# Altium PCB MB1404.PcbDoc (part 1 of 7) (continued)
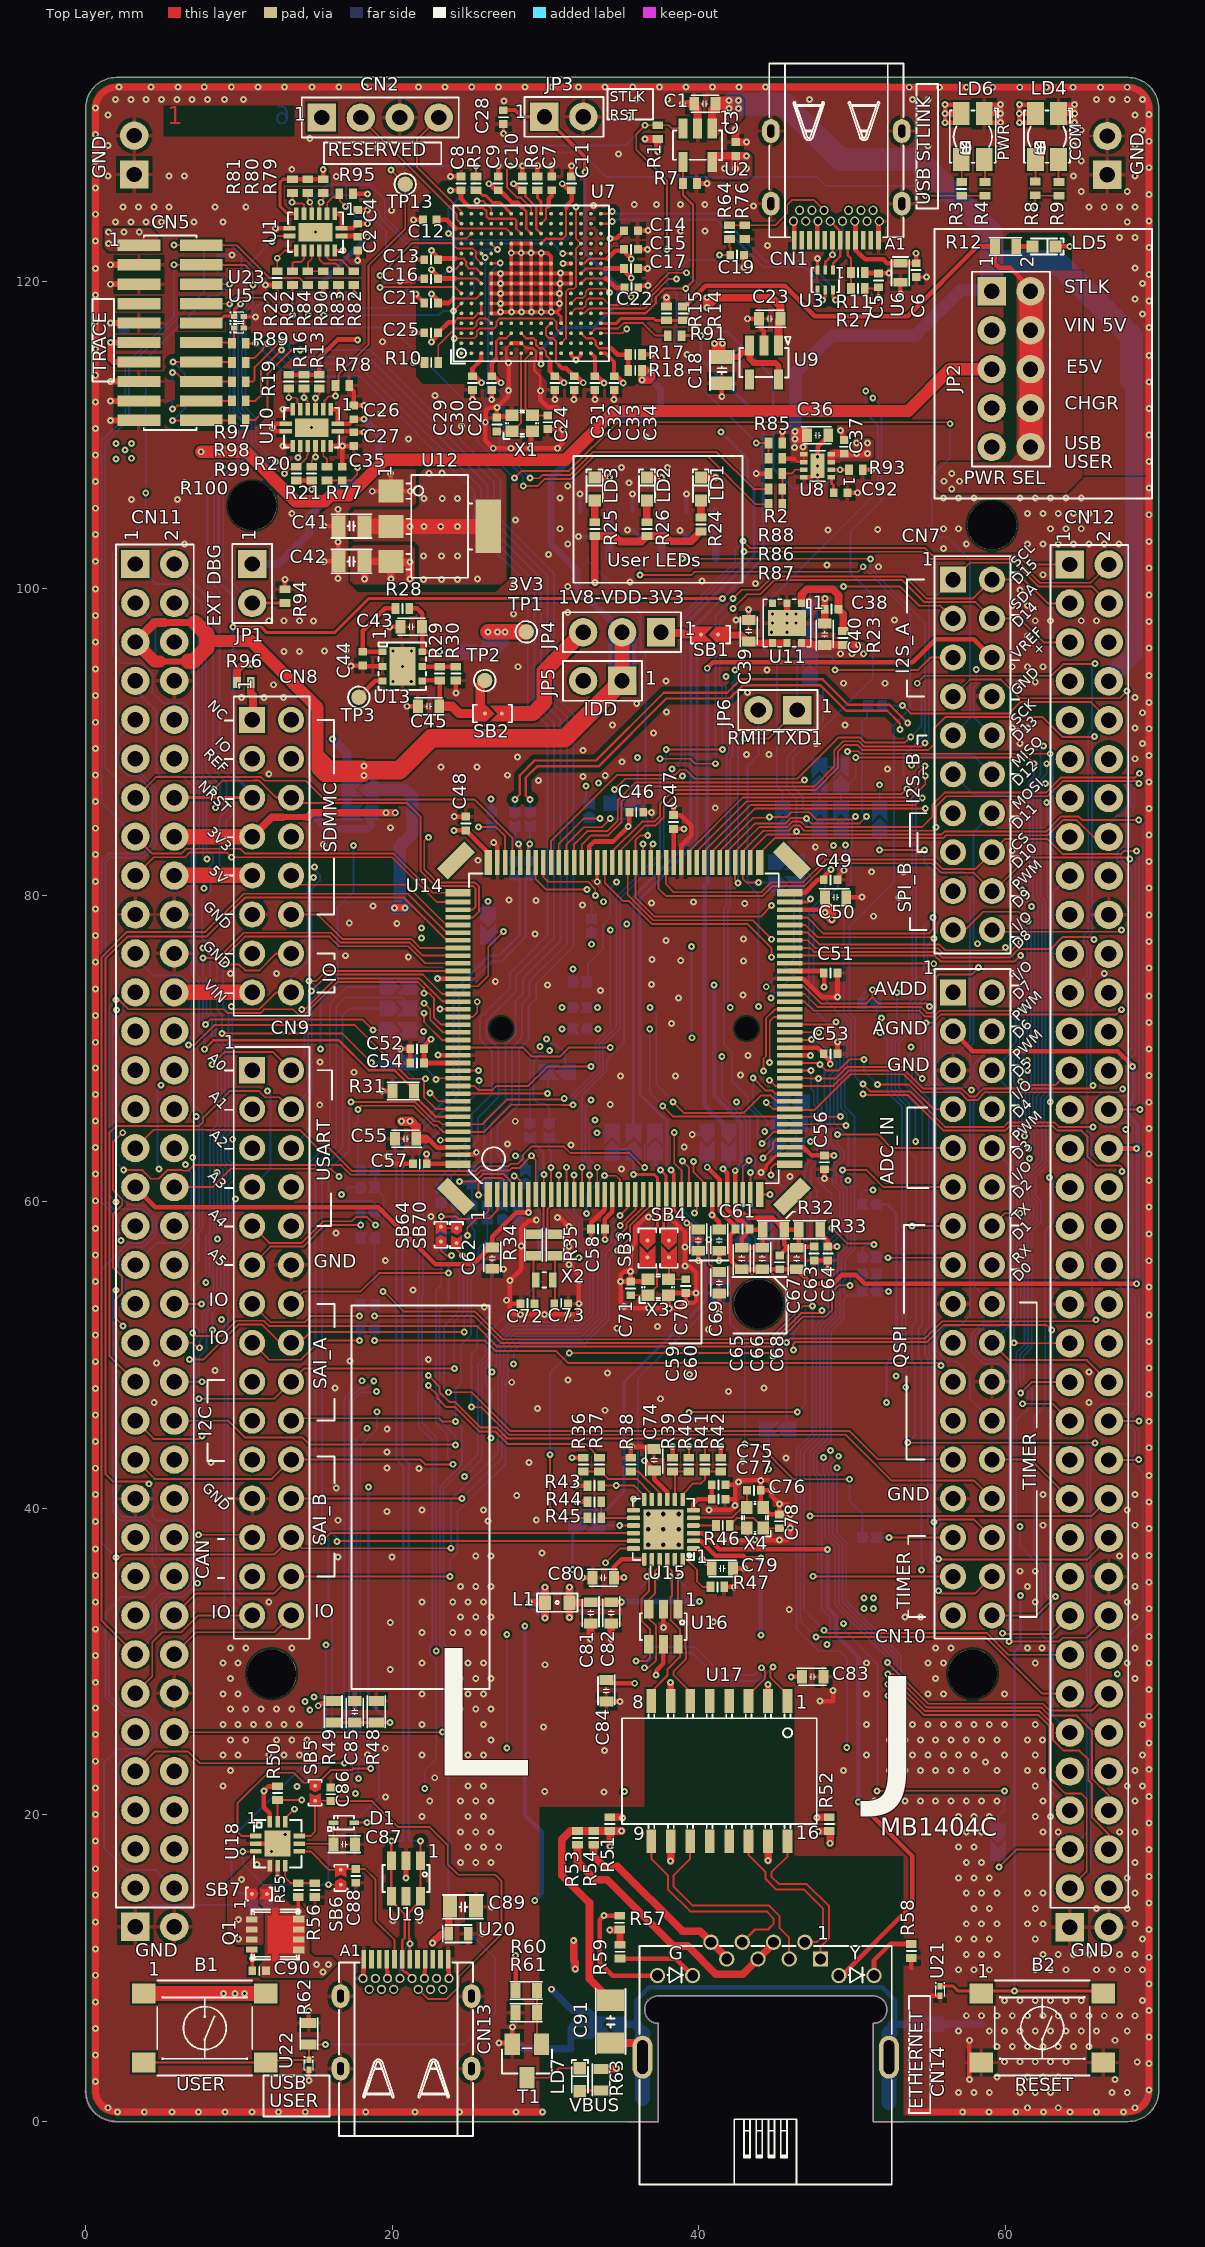
[diagram p0: Top Layer view]
## Components (designator, comment, footprint, x,y, rotation, side; value= is the part's Value field where it differs from the comment)
B1 "SW_PUSH_SMD" SWI_KNITTER_TSS644S 7.775,6.1 r0 top value=SW-PUSH-TSS644S
B2 "SW_PUSH_SMD" SWI_KNITTER_TSS644S 62.403,6.1 r0 top value=SW-PUSH-TSS644S
C1 "Capacitor" C0603 40.4,131.625 r0 top value=10uF
C2 "Capacitor" C0402 17.75,122.5 r270 top value=100nF
C3 "Capacitor" C0402 42.4,128.675 r270 top value=100nF
C4 "Capacitor" C0402 17.75,124.25 r270 top value=100nF
C5 "Capacitor" C0402 51.725,120.1 r90 top value=10nF
C6 "Capacitor" C0402 54.175,120.775 r270 top value=100pF
C7 "Capacitor" C0402 30.416,126.429 r270 top value=2.2uF
C8 "Capacitor" C0402 24.491,126.429 r90 top value=100nF
C9 "Capacitor" C0402 26.916,126.429 r90 top value=100nF
C10 "Capacitor" C0402 28.491,126.429 r90 top value=100nF
C11 "Capacitor" C0402 31.691,126.429 r90 top value=100nF
C12 "Capacitor" C0402 22.45,124.05 r0 top value=2.2uF
C13 "Capacitor" C0402 22.541,121.454 r180 top value=100nF
C14 "Capacitor" C0402 35.575,123.35 r180 top value=2.2uF
C15 "Capacitor" C0402 35.575,122.129 r0 top value=100nF
C16 "Capacitor" C0402 22.541,120.204 r180 top value=100nF
C17 "Capacitor" C0402 35.575,120.879 r0 top value=100nF
C18 "Capacitor" C0805 41.5,114.25 r90 top value=2.2uF
C19 "Capacitor" C0402 42.5,121.75 r0 top value=10nF
C20 "Capacitor" C0402 26.825,110.7 r270 top value=2.7pF
C21 "Capacitor" C0402 22.541,118.629 r180 top value=100nF
C22 "Capacitor" C0402 35.6,119.629 r0 top value=100nF
C23 "Capacitor" C0603 44.629,117.597 r0 top value=10uF
C24 "Capacitor" C0402 30.15,110.85 r90 top value=2.7pF
C25 "Capacitor" C0402 22.541,116.679 r180 top value=100nF
C26 "Capacitor" C0402 17.5,111.5 r270 top value=100nF
C27 "Capacitor" C0402 17.5,109.75 r270 top value=100nF
C28 "Capacitor" C0402 27.25,130.75 r90 top value=100nF
C29 "Capacitor" C0402 25.241,113.404 r270 top value=100nF
C30 "Capacitor" C0402 26.491,113.404 r270 top value=100nF
C31 "Capacitor" C0402 30.616,113.404 r270 top value=100nF
C32 "Capacitor" C0402 31.866,113.404 r270 top value=100nF
C33 "Capacitor" C0402 33.225,113.4 r270 top value=100nF
C34 "Capacitor" C0402 34.475,113.4 r270 top value=100nF
C35 "Capacitor" C0402 16.75,107.5 r90 top value=20pF
C36 "Capacitor" C0603 47.75,110 r180 top value=10uF
C37 "Capacitor" C0402 49.5,109.25 r270 top value=100nF
C38 "Capacitor" C0402 48.666,98.654 r180 top value=100nF
C39 "Capacitor" C0603 43.25,97.25 r270 top value=4.7uF
C40 "Capacitor" C0603 48.216,97.029 r270 top value=4.7uF
C41 "Capacitor" C0805 17.341,104.074 r0 top value=10uF
C42 "Capacitor" C0805 17.341,101.774 r0 top value=10uF
C43 "Capacitor" C0603 21.25,97.5 r0 top value=4.7uF
C44 "Capacitor" C0402 18.075,95.425 r270 top value=100nF
C45 "Capacitor" C0603 22.375,92.325 r0 top value=4.7uF
C46 "Capacitor" C0402 35.925,85.4 r180 top value=100nF
C47 "Capacitor" C0402 38.35,84.775 r270 top value=100nF
C48 "Capacitor" C0402 24.8,84.675 r270 top value=100nF
C49 "Capacitor" C0402 48.6,81 r180 top value=100nF
C50 "Capacitor" C0603 48.925,79.875 r180 top value=2.2uF
C51 "Capacitor" C0402 48.6,74.925 r180 top value=100nF
C52 "Capacitor" C0402 21.625,69.975 r0 top value=100nF
C53 "Capacitor" C0402 48.6,69.65 r180 top value=100nF
C54 "Capacitor" C0402 21.625,69.05 r0 top value=100nF
C55 "Capacitor" C0603 20.875,64.1 r0 top value=2.2uF
C56 "Capacitor" C0402 48.2,62.575 r90 top value=100nF
C57 "Capacitor" C0402 21.8,62.475 r0 top value=100nF
C58 "Capacitor" C0402 33.425,58.225 r0 top value=100nF
C59 "Capacitor" C0603 39.975,57.5 r90 top value=100nF
C60 "Capacitor" C0603 41.325,57.5 r90 top value=4.7uF
C61 "Capacitor" C0402 42.85,58.225 r0 top value=100nF
C62 "Capacitor" C0603 26.525,56.325 r90 top value=1uF
C63 "Capacitor" C0402 47.525,56.625 r270 top value=100nF
C64 "Capacitor" C0402 48.425,56.625 r270 top value=100nF
C65 "Capacitor" C0603 42.8,56.3 r270 top value=1uF
C66 "Capacitor" C0603 44.15,56.3 r90 top value=100nF
C67 "Capacitor" C0603 46.4,56.3 r270 top value=1uF
C68 "Capacitor" C0402 45.275,56.05 r90 top value=100nF
C69 "Capacitor" C0603 41.325,54.725 r90 top value=100nF
C70 "Capacitor" C0402 39.15,54.5 r270 top value=5.6pF
C71 "Capacitor" C0402 35.55,54.35 r90 top value=5.6pF
C72 "Capacitor" C0402 28.825,53.35 r180 top value=3.3pF
C73 "Capacitor" C0402 31.025,53.35 r0 top value=3.3pF
C74 "Capacitor" C0603 37.091,43.179 r270 top value=100nF
C75 "Capacitor" C0402 41.291,41.529 r180 top value=1uF
C76 "Capacitor" C0402 43.591,41.179 r180 top value=5.6pF
C77 "Capacitor" C0402 41.291,40.604 r180 top value=470pF
C78 "Capacitor" C0402 45.266,39.154 r270 top value=5.6pF
C79 "Capacitor" C0603 41.541,36.079 r180 top value=100nF
C80 "Capacitor" C0603 33.766,35.479 r180 top value=100nF
C81 "Capacitor" C0603 32.941,33.179 r90 top value=100nF
C82 "Capacitor" C0603 34.291,33.179 r90 top value=10uF
C83 "Capacitor" C0603 47.429,29.009 r180 top value=100nF
C84 "Capacitor" C0603 33.975,28.1 r90 top value=100nF
C85 "Capacitor" C0603 17.55,26.725 r270 top value=10pF
C86 "Capacitor" C0402 16,21.35 r90 top value=330pF
C87 "Capacitor" C0603 16.875,18.1 r0 top value="100nF, 50V"
C88 "Capacitor" C0402 17.625,16.025 r270 top value=330pF
C89 "Capacitor" C0805 24.625,14 r0 top value=2.2uF
C90 "Capacitor" C0402 11.325,9.825 r0 top value=10nF
C91 "Capacitor" C1206_H1P6 34.25,6.525 r90 top value=1nF
C92 "Capacitor" C0402 49.25,106.25 r180 top value=10nF
CN1 "USB_TYPE_C_Receptacle" CON_USB-TYPEC_WE_632723300011 53.35,134.245 r180 top value=USB_C_632723300011
CN2 "Header 4x1" CON_SAMTEC_TSW-104-07-G-S 19.225,130.725 r0 top
CN3 "Jumper_Header 2x1" CON_SAMTEC_TSW-102-09-X-S 3.175,128.28 r90 bottom value="Header 2x1 16mm"
CN4 "Jumper_Header 2x1" CON_SAMTEC_TSW-102-09-X-S 66.65,128.255 r90 bottom value="Header 2x1 16mm"
CN5 "Header 10x2" CON_SAMTEC_FTSH-110-01-L-DV 5.511,116.685 r270 top
CN7 "Socket 10x2_N144_ARD" CON_SAMTEC_SSQ-110-23-F-D 57.856,89.153 r270 top locked value="Socket 10x2"
CN8 "Socket 8x2_N144_ARD" CON_SAMTEC_SSQ-108-23-F-D 12.136,82.549 r270 top locked value="Socket 8x2"
CN9 "Socket 15x2_N144_ARD" CON_SAMTEC_SSQ-115-23-F-D 12.136,50.799 r270 top locked value="Socket 15x2"
CN10 "Socket 17x2_N144_ARD" CON_SAMTEC_SSQ-117-23-F-D 57.856,53.339 r270 top locked value="Socket 17x2"
CN11 "Header 35x2" CON_SAMTEC_TSW-135-07-X-D 4.516,58.419 r270 top locked
CN12 "Header 35x2" CON_SAMTEC_TSW-135-07-X-D 65.476,58.394 r270 top locked
CN13 "USB_TYPE_C_Receptacle" "CON_USB-TYPEC_WE_632723300011 " 20.9,0.005 r0 top value=USB_C_632723300011
CN14 "RJ45_KRJ-CB4.2GYZNL" CON_RJ45_DGKYD_KRJ-CB4.2GYZNL 44.369,0 r0 top locked value=KRJ-CB4.2GYZNL
CN15 "Jumper_Header 2x1" CON_SAMTEC_TSW-102-09-X-S 65.476,12.674 r0 bottom locked value="Header 2x1 16mm"
CN16 "Jumper_Header 2x1" CON_SAMTEC_TSW-102-09-X-S 4.516,12.699 r0 bottom locked value="Header 2x1 16mm"
D1 "SCHOTTKY_1A_2K" DIO_SOD523_1A_2K 16.85,19.5 r180 top value=BAT54KFILM
JP1 "Jumper_Header 2x1" CON_SAMTEC_TSW-102-07-G-S 10.866,100.329 r270 top
JP2 "Jumper_Header 5x2 Fitted 1-2" CON_SAMTEC_TSW-105-07-X-D 60.371,114.314 r270 top value="Shunt Fitted 1-2"
JP3 "Jumper_Header 2x1" CON_SAMTEC_TSW-102-07-G-S 31.2,130.775 r0 top
JP4 "Jumper_Header 3x1 Fitted 1-2" CON_SAMTEC_TSW-103-07-F-S 34.996,97.154 r180 top locked value="Shunt Fitted 1-2"
JP5 "Jumper_Header 2x1 Fitted" CON_SAMTEC_TSW-102-07-G-S 33.726,93.979 r180 top locked value="Shunt Fitted"
JP6 "Jumper_Header 2x1 Fitted" CON_SAMTEC_TSW-102-07-G-S 45.156,92.074 r180 top value="Shunt Fitted"
L1 "BEAD" L0603 30.766,33.854 r180 top value="600R @100MHz"
LD1 "LED_green" LED_0603_OSRAM_LG-Q396-PS-35_GREEN_1A2K_H0P4 40.141,106.497 r90 top locked value=GREEN
LD2 "LED_yellow" LED_0603_OSRAM_LY-Q396-P1Q2-36_YELLOW_1A2K_H0P4 36.616,106.497 r90 top value=YELLOW
LD3 "LED_red" LED_0603_OSRAM_LS-Q976-NR-1_RED_1A2K_H0P8 33.208,106.497 r90 top value=RED
LD4 "LED_BICOLOR" LED_BI-GR_WE-150141SV73110 62.716,129.479 r180 top value="Green / Red"
LD5 "LED_green" LED_0603_OSRAM_LG-Q396-PS-35_GREEN_1A2K_H0P4 62.513,122.312 r0 top value=GREEN
LD6 "LED_BICOLOR" LED_BI-GR_WE-150141SV73110 57.875,129.479 r180 top value="Green / Red"
LD7 "LED_green" LED_0603_OSRAM_LG-Q396-PS-35_GREEN_1A2K_H0P4 32.241,2.729 r90 top value=GREEN
Q1 "STL11N3LLH6" MOS_POWERFLAT_3P3X3P3_P065 12.375,12.2 r270 top
Q2 "9013-SOT23" NPN_SOT23 40.141,106.147 r180 bottom value=SOT23
Q3 "9013-SOT23" NPN_SOT23 36.616,106.147 r180 bottom value=SOT23
Q4 "9013-SOT23" NPN_SOT23 33.208,106.147 r180 bottom value=SOT23
R1 "Resistor" R0402 37.325,129.775 r90 top value=100K
R2 "Resistor" R0402 45,108.5 r180 top value=3K
R3 "Resistor" R0402 57.15,126.075 r270 top value=330R
R4 "Resistor" R0402 58.675,126.075 r270 top value=1K
R5 "Resistor" R0402 25.466,126.429 r90 top value=0R
R6 "Resistor" R0402 29.466,126.429 r90 top value=3K
R7 "Resistor" R0402 39.425,126.425 r180 top value=100K
R8 "Resistor" R0402 61.941,126.102 r90 top value=330R
R9 "Resistor" R0402 63.491,126.077 r270 top value=1K
R10 "Resistor" R0402 22.55,114.75 r180 top value=10K
R11 "Resistor" R0402 50.375,120.625 r0 top value=5K1
R12 "Resistor" R0603 60.013,122.312 r180 top value=620R
R13 "Resistor" R0402 15.25,113.5 r90 top value=100K
R14 "Resistor" R0402 39,117.95 r90 top value=5K1
R15 "Resistor" R0402 37.9,117.95 r90 top value=10K
R16 "Resistor" R0402 14.25,113.5 r90 top value=100K
R17 "Resistor" R0402 35.85,115.275 r0 top value=10K
R18 "Resistor" R0402 35.85,114.225 r0 top value=10K
R19 "Resistor" R0402 13.25,113.5 r90 top value=100K
R20 "Resistor" R0402 13.75,107.5 r270 top value=100K
R21 "Resistor" R0402 14.75,107.5 r270 top value=100K
R22 "Resistor" R0402 12.5,120.25 r90 top value=100K
R23 "Resistor" R0402 49.416,96.779 r270 top value=10K
R24 "Resistor" R0402 40.141,104.179 r270 top value=270R
R25 "Resistor" R0402 33.216,103.879 r270 top value=270R
R26 "Resistor" R0402 36.616,103.879 r270 top value=470R
R27 "Resistor" R0402 50.375,119.575 r0 top value=100K
R28 "Resistor" R0402 20.666,98.704 r0 top value=10K
R29 "Resistor" R0402 23.1,94.45 r270 top value=27K
R30 "Resistor" R0402 24.15,94.45 r90 top value=56K
R31 "Resistor" R0603 20.725,67.225 r180 top value=10K
R32 "Resistor" R0603 44.875,58.175 r180 top value=0R
R33 "Resistor" R0603 47.225,58.175 r180 top value=0R
R34 "Resistor" R0603 29.225,57.175 r270 top value=0R
R35 "Resistor" R0603 30.625,57.175 r270 top value=0R
R36 "Resistor" R0402 32.466,42.854 r90 top value=10K
R37 "Resistor" R0402 33.516,42.854 r270 top value=33R
R38 "Resistor" R0402 35.566,42.854 r90 top value=10K
R39 "Resistor" R0402 38.291,42.854 r90 top value=10K
R40 "Resistor" R0402 39.341,42.854 r270 top value=33R
R41 "Resistor" R0402 40.391,42.854 r270 top value=33R
R42 "Resistor" R0402 41.441,42.854 r90 top value=10K
R43 "Resistor" R0402 33.191,41.479 r180 top value=1K5
R44 "Resistor" R0402 33.191,40.429 r180 top value=10K
R45 "Resistor" R0402 33.191,39.379 r0 top value=33R
R46 "Resistor" R0402 41.566,38.879 r180 top value=0R
R47 "Resistor" R0402 41.216,34.879 r0 top value=12K1
R48 "Resistor" R0603 18.96,26.731 r270 top value=49K9
R49 "Resistor" R0603 16.15,26.725 r90 top value=330K
R50 "Resistor" R0402 12.525,21.425 r270 top value=10K
R51 "Resistor" R0402 34.191,19.404 r90 top value=75R
R52 "Resistor" R0402 48.516,19.404 r90 top value=75R
R53 "Resistor" R0402 32.091,18.504 r270 top value=75R
R54 "Resistor" R0402 33.141,18.504 r270 top value=75R
R55 "Resistor" R0402 13.875,15.1 r270 top value=10K
R56 "Resistor" R0402 14.95,15.1 r270 top value=2K4
R57 "Resistor" R0402 34.841,12.973 r90 top value=10K
R58 "Resistor" R0402 53.866,11.129 r90 top value=270R
R59 "Resistor" R0402 34.866,11.079 r270 top value=270R
R60 "Resistor" R0603 28.75,8.55 r0 top value=47K
R61 "Resistor" R0603 28.75,7.1 r0 top value=22K
R62 "Resistor" R0603 14.566,5.729 r270 top value=100K
R63 "Resistor" R0603 33.625,2.725 r90 top value=510R
R64 "Resistor" R0402 42,123.25 r270 top value=100K
R65 "Resistor" R0603 40.411,103.385 r0 bottom value=100K
R66 "Resistor" R0603 36.866,103.379 r0 bottom value=100K
R67 "Resistor" R0603 33.466,103.379 r0 bottom value=100K
R68 "Resistor" R0603 36.866,101.979 r0 bottom value=47K
R69 "Resistor" R0603 33.466,101.979 r0 bottom value=47K
R70 "Resistor" R0603 40.414,101.967 r0 bottom value=47K
R71 "Resistor" R0603 29.8,55.5 r270 bottom value=330R
R72 "Resistor" R0402 39.191,34.379 r270 bottom value=49.9R
R73 "Resistor" R0402 38.191,34.379 r270 bottom value=49.9R
R74 "Resistor" R0402 37.191,34.379 r270 bottom value=49.9R
R75 "Resistor" R0402 36.191,34.379 r270 bottom value=49.9R
R76 "Resistor" R0402 43,123.25 r270 top value=5K1
R77 "Resistor" R0402 15.75,107.5 r270 top value=100R
R78 "Resistor" R0402 16.75,113.25 r180 top value=100K
R79 "Resistor" R0402 15.5,126.25 r270 top value=100K
R80 "Resistor" R0402 14.5,126.25 r90 top value=100K
R81 "Resistor" R0402 13.5,126.25 r90 top value=100K
R82 "Resistor" R0402 17.5,120.25 r270 top value=47R
R83 "Resistor" R0402 16.5,120.25 r270 top value=47R
R84 "Resistor" R0402 14.5,120.25 r270 top value=47R
R85 "Resistor" R0402 45,109.5 r180 top value=5K1
R86 "Resistor" R0402 45,106.5 r180 top value=1K8
R87 "Resistor" R0402 45,105.5 r180 top value=1K3
R88 "Resistor" R0402 45,107.5 r180 top value=3K9
R89 "Resistor" R0402 10,116 r0 top value=0R
R90 "Resistor" R0402 15.5,120.25 r270 top value=100K
R91 "Resistor" R0402 38.425,116.5 r0 top value=0R
R92 "Resistor" R0402 13.5,120.25 r270 top value=47R
R93 "Resistor" R0402 50.25,107.75 r180 top value=100K
R94 "Resistor" R0402 13,99.5 r270 top value=100K
R95 "Resistor" R0402 17,125.75 r180 top value=100K
R96 "Resistor" R0402 10.325,93.875 r180 top value=1K
R97 "Resistor" R0402 10,114.75 r0 top value=0R
R98 "Resistor" R0402 10,113.5 r0 top value=0R
R99 "Resistor" R0402 10,112.25 r0 top value=0R
R100 "Resistor" R0402 10,111 r0 top value=0R
SB1 "SB_ON" SOLDER-BRIDGE_R0603-0R#1 40.75,97 r180 top
SB2 "SB_ON" SOLDER-BRIDGE_R0603-0R#1 26.55,91.85 r0 top
SB3 "SB_ON" SOLDER-BRIDGE_R0603-0R#1 36.65,56.975 r270 top
SB4 "SB_ON" SOLDER-BRIDGE_R0603-0R#1 38.05,56.975 r270 top
SB5 "SB_ON" SOLDER-BRIDGE_R0402-0R#1 14.975,21.45 r270 top
SB6 "SB_ON" SOLDER-BRIDGE_R0402-0R#1 16.65,15.9 r90 top
SB7 "SB_ON" SOLDER-BRIDGE_R0402-0R#1 11.3,14.85 r0 top
SB8 "SB_ON" SOLDER-BRIDGE_R0402-0R#1 26.2,59.3 r90 bottom
SB9 "SB_ON" SOLDER-BRIDGE_R0402-0R#1 25.2,59.3 r90 bottom
SB10 "SB_ON" SOLDER-BRIDGE_R0603-0R#2 47.25,98 r90 bottom
SB11 "SB_ON" SOLDER-BRIDGE_R0603-0R#1 25.441,95.879 r180 bottom
SB12 "SB_ON" SOLDER-BRIDGE_R0603-0R#1 47.25,95 r90 bottom
SB13 "SB_ON" SOLDER-BRIDGE_R0402-0R#2 51.5,92.375 r180 bottom
SB14 "SB_ON" SOLDER-BRIDGE_R0603-0R#1 49.275,87.75 r90 bottom
SB15 "SB_ON" SOLDER-BRIDGE_R0603-0R#1 47.875,87.75 r90 bottom
SB16 "SB_ON" SOLDER-BRIDGE_R0603-0R#1 17.925,86.875 r180 bottom
SB17 "SB_ON" SOLDER-BRIDGE_R0603-0R#2 51.8,84.95 r90 bottom
SB18 "SB_ON" SOLDER-BRIDGE_R0603-0R#1 45.475,84.95 r90 bottom
SB19 "SB_ON" SOLDER-BRIDGE_R0603-0R#1 35,86 r0 bottom
SB20 "SB_ON" SOLDER-BRIDGE_R0402-0R#1 32.85,85.5 r90 bottom
SB21 "SB_ON" SOLDER-BRIDGE_R0402-0R#1 29,84.95 r270 bottom
SB22 "SB_ON" SOLDER-BRIDGE_R0402-0R#1 28,84.95 r270 bottom
SB23 "SB_ON" SOLDER-BRIDGE_R0603-0R#1 49.275,84.95 r90 bottom
SB24 "SB_ON" SOLDER-BRIDGE_R0603-0R#1 47.875,84.95 r90 bottom
SB25 "SB_ON" SOLDER-BRIDGE_R0603-0R#1 17.925,85.375 r180 bottom
SB26 "SB_ON" SOLDER-BRIDGE_R0402-0R#1 26.475,84.975 r270 bottom
SB27 "SB_ON" SOLDER-BRIDGE_R0402-0R#1 29,81.75 r270 bottom
SB28 "SB_ON" SOLDER-BRIDGE_R0402-0R#1 28,81.75 r270 bottom
SB29 "SB_ON" SOLDER-BRIDGE_R0603-0R#2 45.725,82.15 r0 bottom
SB30 "SB_ON" SOLDER-BRIDGE_R0603-0R#2 45.725,80.725 r0 bottom
SB31 "SB_ON" SOLDER-BRIDGE_R0402-0R#1 33,78 r90 bottom
SB32 "SB_ON" SOLDER-BRIDGE_R0603-0R#1 26.25,78 r270 bottom
SB33 "SB_ON" SOLDER-BRIDGE_R0402-0R#1 32.25,74.325 r0 bottom
SB34 "SB_ON" SOLDER-BRIDGE_R0603-0R#1 20.4,74 r0 bottom
SB35 "SB_ON" SOLDER-BRIDGE_R0402-0R#2 51.125,72.944 r180 bottom
SB36 "SB_ON" SOLDER-BRIDGE_R0402-0R#1 32.25,72.675 r0 bottom
SB37 "SB_ON" SOLDER-BRIDGE_R0603-0R#1 20.4,72.6 r0 bottom
SB38 "SB_ON" SOLDER-BRIDGE_R0402-0R#1 32.25,71.275 r180 bottom
SB39 "SB_ON" SOLDER-BRIDGE_R0603-0R#1 20.4,71.2 r0 bottom
SB40 "SB_ON" SOLDER-BRIDGE_R0603-0R#1 20.4,69.075 r0 bottom
SB41 "SB_ON" SOLDER-BRIDGE_R0603-0R#1 30.775,68.475 r180 bottom
SB42 "SB_ON" SOLDER-BRIDGE_R0603-0R#1 46.05,66.475 r180 bottom
SB43 "SB_ON" SOLDER-BRIDGE_R0603-0R#1 45.9,65.075 r0 bottom
SB44 "SB_ON" SOLDER-BRIDGE_R0402-0R#1 30.25,64.65 r270 bottom
SB45 "SB_ON" SOLDER-BRIDGE_R0402-0R#1 28.975,64.65 r270 bottom
SB46 "SB_ON" SOLDER-BRIDGE_R0603-0R#1 41.95,63.9 r270 bottom
SB47 "SB_ON" SOLDER-BRIDGE_R0603-0R#1 40.55,63.9 r270 bottom
SB48 "SB_ON" SOLDER-BRIDGE_R0603-0R#1 37.15,63.9 r90 bottom
SB49 "SB_ON" SOLDER-BRIDGE_R0603-0R#1 35.75,63.9 r90 bottom
SB50 "SB_ON" SOLDER-BRIDGE_R0603-0R#1 34.35,63.9 r90 bottom
SB51 "SB_ON" SOLDER-BRIDGE_R0603-0R#1 45.725,63.675 r0 bottom
SB52 "SB_ON" SOLDER-BRIDGE_R0402-0R#2 18.4,62.05 r0 bottom
SB53 "SB_ON" SOLDER-BRIDGE_R0402-0R#2 18.4,60.95 r0 bottom
SB54 "SB_ON" SOLDER-BRIDGE_R0402-0R#1 29.8,57.6 r270 bottom
SB55 "SB_ON" SOLDER-BRIDGE_R0402-0R#1 28.7,61.6 r90 bottom
SB56 "SB_ON" SOLDER-BRIDGE_R0402-0R#1 51.125,59.825 r180 bottom
SB57 "SB_ON" SOLDER-BRIDGE_R0402-0R#2 18.4,59.35 r180 bottom
SB58 "SB_ON" SOLDER-BRIDGE_R0603-0R#1 44.425,58 r270 bottom
SB59 "SB_ON" SOLDER-BRIDGE_R0603-0R#1 42.875,58 r90 bottom
SB60 "SB_ON" SOLDER-BRIDGE_R0402-0R#2 18.4,57.625 r180 bottom
SB61 "SB_ON" SOLDER-BRIDGE_R0402-0R#2 51.125,56.375 r0 bottom
SB62 "SB_ON" SOLDER-BRIDGE_R0603-0R#1 41.225,54.5 r90 bottom
SB63 "SB_ON" SOLDER-BRIDGE_R0402-0R#2 51.125,55.275 r0 bottom
SB64 "SB_ON" SOLDER-BRIDGE_R0402-0R#2 23.175,57.85 r90 top
SB65 "SB_ON" SOLDER-BRIDGE_R0402-0R#2 51.125,54.175 r180 bottom
SB66 "SB_ON" SOLDER-BRIDGE_R0402-0R#2 18.4,53.3 r180 bottom
SB67 "SB_ON" SOLDER-BRIDGE_R0402-0R#2 18.4,51.7 r180 bottom
SB68 "SB_ON" SOLDER-BRIDGE_R0402-0R#2 27.2,59.3 r90 bottom
SB69 "SB_ON" SOLDER-BRIDGE_R0603-0R#1 45.156,45.156 r180 bottom locked
SB70 "SB_ON" SOLDER-BRIDGE_R0402-0R#1 24.202,57.825 r270 top
SB71 "SB_ON" SOLDER-BRIDGE_R0402-0R#2 28.2,59.3 r90 bottom
SB72 "SB_ON" SOLDER-BRIDGE_R0603-0R#1 32.691,38.879 r0 bottom
SB73 "SB_ON" SOLDER-BRIDGE_R0402-0R#2 51.125,38.1 r0 bottom
SB74 "SB_ON" SOLDER-BRIDGE_R0603-0R#2 59.525,18.225 r270 bottom
SB75 "SB_ON" SOLDER-BRIDGE_R0402-0R#2 11.45,14.125 r180 bottom
SB76 "SB_ON" SOLDER-BRIDGE_R0603-0R#1 54.825,6.35 r0 bottom
SB77 "SB_ON" SOLDER-BRIDGE_R0603-0R#1 34.05,6.35 r180 bottom
SB78 "SB_ON" SOLDER-BRIDGE_R0402-0R#1 23.2,57.5 r90 bottom
SB79 "SB_ON" SOLDER-BRIDGE_R0402-0R#1 23.2,60.4 r90 bottom
SB80 "SB_ON" SOLDER-BRIDGE_R0402-0R#1 24.2,59.3 r90 bottom
SB81 "SB_ON" SOLDER-BRIDGE_R0402-0R#1 26.2,61.6 r90 bottom
SB82 "SB_ON" SOLDER-BRIDGE_R0402-0R#1 25.2,61.6 r90 bottom
SB83 "SB_ON" SOLDER-BRIDGE_R0402-0R#1 27.2,61.6 r90 bottom
SB84 "SB_ON" SOLDER-BRIDGE_R0402-0R#1 2.5,116.5 r270 bottom
T1 "9013-SOT23" NPN_SOT23 28.792,3.952 r180 top value=SOT23
TP1 "Test Point" TP_SMD_1MM 28.75,97.175 r270 top
TP2 "Test Point" TP_SMD_1MM 26.041,94.004 r180 top
TP3 "Test Point" TP_SMD_1MM 17.825,92.909 r270 top
TP13 "Test Point" TP_SMD_1MM 20.85,126.375 r180 top
U1 "74AVC4TD245BQ" ICC_DHVQFN16-EPAD_SOT763-1_2P5X3P5_H0P85_P050 15,123.25 r270 top
U2 "STMPS2151STR" MOS_SOT23-5L 39.925,128.925 r180 top
U3 "ECMF02-2AMX6" ESD_QFN-6L_1P7X1P5_P050 48.25,120.125 r180 top
U4 "ESDALC6V1W5" ESD_SOT323-5L 6.15,112.9 r90 bottom
U5 "ESD-TRANSIL" ESD_ST0201 10,117 r0 top value=ESDALC6V1-1U2
U6 "ESD-TRANSIL" ESD_QFN1610_2N_1K_2A 53.15,120.6 r270 top value=ESDA25P35-1U1M
U7 "STLINK-V3EC" ICC_UFBGA201_176+25_10X10_P065 29.066,119.904 r90 top value=STM32F723IEK6
U8 "TPS259535DSG" ICC_WSON8-EPAD_2X2_P050 47.75,108 r180 top
U9 "ST730M33R" ICC_SOT23-5L_H1P45 44.25,114.75 r180 top
U10 "74AVC4TD245BQ" ICC_DHVQFN16-EPAD_SOT763-1_2P5X3P5_H0P85_P050 14.75,110.5 r270 top
U11 "ST1L05CPU33R" ICC_DFN6-EPAD_3X3_P095 45.75,97.75 r180 top value="ST1L05CPU33R 3.3V 1.3A"
U12 "LD1117S50TR" REG_SOT223-TAB 23.091,104.054 r270 top
U13 "ST1L05BPUR" ICC_DFN6-EPAD_3X3_P095 20.666,94.929 r270 top
U14 "STM32H563ZIT6" ICC_LQFP144_20X20_P050_SOCKET_YAMAICHI_IC149-144-145-B5_NM 35.116,71.304 r90 top locked
U15 "LAN8742A-CZ-TR" ICC_VQFN24-EPAD_4X4_P050 37.691,38.629 r180 top
U16 "USBLC6-4SC6" ESD_SOT23-6L 37.691,32.279 r180 top
U17 "KMS-1102NL" TRS_DGKYD_KMS-1102NL 41.346,22.859 r180 top
U18 "TCPP01-M12" ICC_QFN12L-EPAD_3X3_P050 12.525,18.125 r270 top
U19 "USBLC6-2SC6" ESD_SOT23-6L 20.9,15.85 r180 top
U20 "ESD-TRANSIL" ESD_QFN1610_2N_1K_2A 24.325,12.25 r0 top value=ESDA25P35-1U1M
U21 "ESD-TRANSIL" ESD_ST0201 55.748,8.523 r270 top value=ESDALC6V1-1U2
U22 "ESD-TRANSIL" ESD_ST0201 14.566,3.704 r270 top value=ESDALC6V1-1U2
U23 "ESD-TRANSIL" ESD_ST0201 10,117.75 r0 top value=ESDALC6V1-1U2
U24 "ESDALC6V1W5" ESD_SOT323-5L 7.75,121.75 r270 bottom
X1 "XTAL_4_PINS" CRY_NX2016SA_4P 28.475,110.775 r0 top value=24MHz
X2 "XTAL_2_PINS" CRY_NX1610SE_2P 29.925,54.9 r180 top value=32.768kHz
X3 "XTAL_4_PINS" CRY_NX2016SA_4P 37.35,54.425 r0 top value="NX2016SA 25MHz"
X4 "XTAL_4_PINS" CRY_NX2016SA_4P 43.666,39.379 r90 top value="NX2016SA 25MHz"

## Footprints (in the part's own frame and the unit in brackets; to place one, negate y for a bottom-side part, rotate by r counter-clockwise, add the part's x,y. Pads: shape width x height; smd on the part's side, far side on the other; paste and mask are expansions set on the pad)
C0402 [mm]
  rect 0.51x0.56 smd mask+0.05: 1(-0.45,0) 2(0.45,0)
  body extent -0.5,-0.3 0.5,0.3, height 0.4
C0603 [mm]
  rect 0.64x0.89 smd mask+0.05: 1(-0.7,0) 2(0.7,0)
  silkscreen extent -0.9,-0.55 1.05,0.55, body extent -0.9,-0.5 0.9,0.5, height 1.4
C0805 [mm]
  rect 0.9x1.4 smd mask+0.05: 1(-0.85,0) 2(0.85,0)
  silkscreen extent -1.3,-0.77 1.3,0.77, body extent -1.1,-0.7 1.1,0.7, height 1.35
C1206_H1P6 [mm]
  rect 1.4x1.78 smd mask+0.05: 1(-1.4,0) 2(1.4,0)
  silkscreen extent -2.12,-0.97 2.15,0.97, body extent -1.7,-0.9 1.7,0.9, height 1.8
CON_RJ45_DGKYD_KRJ-CB4.2GYZNL [mm] "RJ45  connector, right angle"
  rect 1x1 hole 0.7 mask+0.05: 1(3.57,10.6)
  round 1 hole 0.7 mask+0.05: 2(2.55,11.7) 3(1.53,10.6) 4(0.51,11.7) 5(-0.51,10.6) 6(-1.53,11.7) 7(-2.55,10.6) 8(-3.57,11.7) 9(7.06,9.52) 10(4.77,9.52) 11(-4.77,9.52) 12(-7.06,9.52)
  oval 1.3x2.8 hole 0.7 slot 2.2 at 90 deg mask+0.05: SH1(8.04,4.2) SH2(-8.04,4.2)
  Multi-Layer keep-out lines w0.1: -9,0 -7,0 -7,6.4 cw(c-7,7.3) -7,8.2 7,8.2 cw(c7,7.3) 7,6.4 7,0 9,0
  silkscreen extent -8.23,-4.1 8.22,11.45, body extent -8.39,-4.1 8.39,11.9, height 6.85
CON_SAMTEC_FTSH-110-01-L-DV [mm]
  rect 0.74x2.79 smd mask+0.05: 1(-5.715,-2.035) 2(-5.715,2.035) 3(-4.445,-2.035) 4(-4.445,2.035) 5(-3.175,-2.035) 6(-3.175,2.035) 7(-1.905,-2.035) 8(-1.905,2.035) 9(-0.635,-2.035) 10(-0.635,2.035) 11(0.635,-2.035) 12(0.635,2.035) 13(1.905,-2.035) 14(1.905,2.035) 15(3.175,-2.035) 16(3.175,2.035) 17(4.445,-2.035) 18(4.445,2.035) 19(5.715,-2.035) 20(5.715,2.035)
  silkscreen extent -6.35,-1.71 6.35,1.71, body extent -6.35,-2.92 6.35,2.92, height 5.97
CON_SAMTEC_SSQ-108-23-F-D [mm] "MCD-02951"
  rect 1.7x1.7 hole 1 mask+0.05: 1(-8.89,-1.27)
  round 1.7 hole 1 mask+0.05: 2(-8.89,1.27) 3(-6.35,-1.27) 4(-6.35,1.27) 5(-3.81,-1.27) 6(-3.81,1.27) 7(-1.27,-1.27) 8(-1.27,1.27) 9(1.27,-1.27) 10(1.27,1.27) 11(3.81,-1.27) 12(3.81,1.27) 13(6.35,-1.27) 14(6.35,1.27) 15(8.89,-1.27) 16(8.89,1.27)
  silkscreen extent -10.41,-2.48 10.41,2.48, body extent -10.41,-2.48 10.41,2.48, height 8.51
CON_SAMTEC_SSQ-110-23-F-D [mm] "MCD-02953"
  rect 1.7x1.7 hole 1 mask+0.05: 1(-11.43,-1.27)
  round 1.7 hole 1 mask+0.05: 2(-11.43,1.27) 3(-8.89,-1.27) 4(-8.89,1.27) 5(-6.35,-1.27) 6(-6.35,1.27) 7(-3.81,-1.27) 8(-3.81,1.27) 9(-1.27,-1.27) 10(-1.27,1.27) 11(1.27,-1.27) 12(1.27,1.27) 13(3.81,-1.27) 14(3.81,1.27) 15(6.35,-1.27) 16(6.35,1.27) 17(8.89,-1.27) 18(8.89,1.27) 19(11.43,-1.27) 20(11.43,1.27)
  silkscreen extent -12.95,-2.48 12.95,2.48, body extent -12.95,-2.48 12.95,2.48, height 8.51
CON_SAMTEC_SSQ-115-23-F-D [mm] "MCD-02952"
  rect 1.7x1.7 hole 1 mask+0.05: 1(-17.78,-1.27)
  round 1.7 hole 1 mask+0.05: 2(-17.78,1.27) 3(-15.24,-1.27) 4(-15.24,1.27) 5(-12.7,-1.27) 6(-12.7,1.27) 7(-10.16,-1.27) 8(-10.16,1.27) 9(-7.62,-1.27) 10(-7.62,1.27) 11(-5.08,-1.27) 12(-5.08,1.27) 13(-2.54,-1.27) 14(-2.54,1.27) 15(0,-1.27) 16(0,1.27) 17(2.54,-1.27) 18(2.54,1.27) 19(5.08,-1.27) 20(5.08,1.27) 21(7.62,-1.27) 22(7.62,1.27) 23(10.16,-1.27) 24(10.16,1.27) 25(12.7,-1.27) 26(12.7,1.27) 27(15.24,-1.27) 28(15.24,1.27) 29(17.78,-1.27) 30(17.78,1.27)
  silkscreen extent -19.3,-2.48 19.3,2.48, body extent -19.3,-2.48 19.3,2.48, height 8.51
CON_SAMTEC_SSQ-117-23-F-D [mm] "MCD-02954"
  rect 1.7x1.7 hole 1 mask+0.05: 1(-20.32,-1.27)
  round 1.7 hole 1 mask+0.05: 2(-20.32,1.27) 3(-17.78,-1.27) 4(-17.78,1.27) 5(-15.24,-1.27) 6(-15.24,1.27) 7(-12.7,-1.27) 8(-12.7,1.27) 9(-10.16,-1.27) 10(-10.16,1.27) 11(-7.62,-1.27) 12(-7.62,1.27) 13(-5.08,-1.27) 14(-5.08,1.27) 15(-2.54,-1.27) 16(-2.54,1.27) 17(0,-1.27) 18(0,1.27) 19(2.54,-1.27) 20(2.54,1.27) 21(5.08,-1.27) 22(5.08,1.27) 23(7.62,-1.27) 24(7.62,1.27) 25(10.16,-1.27) 26(10.16,1.27) 27(12.7,-1.27) 28(12.7,1.27) 29(15.24,-1.27) 30(15.24,1.27) 31(17.78,-1.27) 32(17.78,1.27) 33(20.32,-1.27) 34(20.32,1.27)
  silkscreen extent -21.84,-2.48 21.84,2.48, body extent -21.84,-2.48 21.84,2.48, height 8.51
CON_SAMTEC_TSW-102-07-G-S [mm]
  rect 1.85x1.85 / inner round 1.85 / far side rect 1.85x1.85 hole 1 mask+0.05: 1(-1.27,0)
  round 1.85 hole 1 mask+0.05: 2(1.27,0)
  silkscreen extent -2.58,-1.3 2.58,1.3, body extent -2.67,-1.3 2.58,1.3, height 8.38
CON_SAMTEC_TSW-102-09-X-S [mm]
  rect 1.85x1.85 / inner round 1.85 / far side rect 1.85x1.85 hole 1 mask+0.05: 1(-1.27,0)
  round 1.85 hole 1 mask+0.05: 2(1.27,0)
  silkscreen extent -2.64,-1.37 2.64,1.37, body extent -2.67,-1.3 2.58,1.3, height 8.38
CON_SAMTEC_TSW-103-07-F-S [mm]
  rect 1.85x1.85 / inner round 1.85 / far side rect 1.85x1.85 hole 1 mask+0.05: 1(-2.54,0)
  round 1.85 hole 1 mask+0.05: 2(0,0) 3(2.54,0)
  silkscreen extent -3.85,-1.3 3.85,1.3, body extent -3.91,-1.37 3.91,1.37, height 8.38
CON_SAMTEC_TSW-104-07-G-S [mm]
  rect 1.85x1.85 / inner round 1.85 / far side rect 1.85x1.85 hole 1 mask+0.05: 1(-3.81,0)
  round 1.85 hole 1 mask+0.05: 2(-1.27,0) 3(1.27,0) 4(3.81,0)
  silkscreen extent -5.12,-1.3 5.12,1.3, body extent -5.21,-1.37 5.18,1.37, height 8.38
CON_SAMTEC_TSW-105-07-X-D [mm]
  rect 1.85x1.85 / inner round 1.85 / far side rect 1.85x1.85 hole 1 mask+0.05: 1(-5.08,-1.27)
  round 1.85 hole 1 mask+0.05: 2(-5.08,1.27) 3(-2.54,-1.27) 4(-2.54,1.27) 5(0,-1.27) 6(0,1.27) 7(2.54,-1.27) 8(2.54,1.27) 9(5.08,-1.27) 10(5.08,1.27)
  silkscreen extent -6.35,-2.54 6.35,2.54, body extent -6.35,-2.54 6.35,2.55, height 8.38
CON_SAMTEC_TSW-135-07-X-D [mm]
  rect 1.85x1.85 / inner round 1.85 / far side rect 1.85x1.85 hole 1 mask+0.05: 1(-43.18,-1.27)
  round 1.85 hole 1 mask+0.05: 2(-43.18,1.27) 3(-40.64,-1.27) 4(-40.64,1.27) 5(-38.1,-1.27) 6(-38.1,1.27) 7(-35.56,-1.27) 8(-35.56,1.27) 9(-33.02,-1.27) 10(-33.02,1.27) 11(-30.48,-1.27) 12(-30.48,1.27) 13(-27.94,-1.27) 14(-27.94,1.27) 15(-25.4,-1.27) 16(-25.4,1.27) 17(-22.86,-1.27) 18(-22.86,1.27) 19(-20.32,-1.27) 20(-20.32,1.27) 21(-17.78,-1.27) 22(-17.78,1.27) 23(-15.24,-1.27) 24(-15.24,1.27) 25(-12.7,-1.27) 26(-12.7,1.27) 27(-10.16,-1.27) 28(-10.16,1.27) 29(-7.62,-1.27) 30(-7.62,1.27) 31(-5.08,-1.27) 32(-5.08,1.27) 33(-2.54,-1.27) 34(-2.54,1.27) 35(0,-1.27) 36(0,1.27) 37(2.54,-1.27) 38(2.54,1.27) 39(5.08,-1.27) 40(5.08,1.27) 41(7.62,-1.27) 42(7.62,1.27) 43(10.16,-1.27) 44(10.16,1.27) 45(12.7,-1.27) 46(12.7,1.27) 47(15.24,-1.27) 48(15.24,1.27) 49(17.78,-1.27) 50(17.78,1.27) 51(20.32,-1.27) 52(20.32,1.27) 53(22.86,-1.27) 54(22.86,1.27) 55(25.4,-1.27) 56(25.4,1.27) 57(27.94,-1.27) 58(27.94,1.27) 59(30.48,-1.27) 60(30.48,1.27) 61(33.02,-1.27) 62(33.02,1.27) 63(35.56,-1.27) 64(35.56,1.27) 65(38.1,-1.27) 66(38.1,1.27) 67(40.64,-1.27) 68(40.64,1.27) 69(43.18,-1.27) 70(43.18,1.27)
  silkscreen extent -44.45,-2.54 44.45,2.54, body extent -44.45,-2.54 44.45,2.54, height 8.38
CON_USB-TYPEC_WE_632723300011 [mm]
  rect 0.3x1.2 smd mask+0.05: A1(1.625,11.53) A2(2.125,11.53) A3(2.625,11.53) A4(3.125,11.53) A5(3.625,11.53) A6(4.125,11.53) A7(4.625,11.53) A8(5.125,11.53) A9(5.625,11.53) A10(6.125,11.53) A11(6.625,11.53) A12(7.125,11.53)
  round 0.6 hole 0.4 mask+0.05: B1(6.375,10.28) B1(7.175,10.28) B2(6.775,9.57) B3(5.975,9.57) B4(5.575,10.28) B5(5.175,9.57) B6(4.775,10.28) B7(3.975,10.28) B8(3.575,9.57) B9(3.175,10.28) B10(2.775,9.57) B11(1.975,9.57) B12(1.575,10.28) B12(2.375,10.28)
  oval 1.15x1.55 hole 0.45 slot 0.85 at 90 deg mask+0.05: SH1(0.105,9.13) SH2(0.105,4.4) SH3(8.645,9.13) SH4(8.645,4.4)
  silkscreen extent 0,0 8.75,11.33, body extent 0,-0.03 8.75,11.77, height 3.03
"CON_USB-TYPEC_WE_632723300011 " [mm] "MCD-02273"
  rect 0.3x1.2 smd mask+0.05: A1(-2.75,10.58) A2(-2.25,10.58) A3(-1.75,10.58) A4(-1.25,10.58) A5(-0.75,10.58) A6(-0.25,10.58) A7(0.25,10.58) A8(0.75,10.58) A9(1.25,10.58) A10(1.75,10.58) A11(2.25,10.58) A12(2.75,10.58)
  round 0.6 hole 0.4 mask+0.05: B1(2,9.33) B1(2.8,9.33) B2(2.4,8.62) B3(1.6,8.62) B4(1.2,9.33) B5(0.8,8.62) B6(0.4,9.33) B7(-0.4,9.33) B8(-0.8,8.62) B9(-1.2,9.33) B10(-1.6,8.62) B11(-2.4,8.62) B12(-2.8,9.33) B12(-2,9.33)
  oval 1.15x1.55 hole 0.45 slot 0.85 at 90 deg mask+0.05: SH1(-4.27,8.18) SH2(-4.27,3.45) SH3(4.27,8.18) SH4(4.27,3.45)
  silkscreen extent -4.38,-0.95 4.38,10.38, body extent -4.38,-0.98 4.38,10.82, height 3.03
CRY_NX1610SE_2P [mm] "MCD-02291"
  rect 0.5x1 smd mask+0.05: 1(-0.55,0) 2(0.55,0)
  silkscreen extent -0.13,-0.5 0.13,0.5, body extent -0.8,-0.5 0.8,0.5, height 0.45
CRY_NX2016SA_4P [mm]
  rect 0.85x0.75 smd mask+0.05: 1(-0.675,-0.525) 2(0.675,-0.525) 3(0.675,0.525) 4(-0.675,0.525)
  silkscreen extent -1.22,-1.02 1.05,0.85, body extent -1.05,-0.85 1.05,0.85, height 0.7
DIO_SOD523_1A_2K [mm] "MCD-01677"
  rect 0.65x0.3 smd mask+0.05: 1(-0.675,0) 2(0.675,0)
  silkscreen extent -0.65,-0.45 1.05,0.55, body extent -0.85,-0.45 0.85,0.45, height 0.71
ESD_QFN1610_2N_1K_2A [mm] "DFN, 2-Leads, Body 1.60x1.00mm"
  rect 0.55x0.9 smd mask+0.05: 1(-0.625,0) 2(0.625,0)
  silkscreen extent -1.02,-0.58 0.85,0.58, body extent -0.85,-0.55 0.85,0.55, height 0.6
ESD_QFN-6L_1P7X1P5_P050 [mm]
  rect 0.25x0.6 smd mask+0.05: 1(-0.5,-0.65) 2(0,-0.65) 3(0.5,-0.65) 4(0.5,0.65) 5(0,0.65) 6(-0.5,0.65)
  silkscreen extent -0.9,-0.8 0.9,0.8, body extent -0.9,-0.8 0.9,0.8, height 0.56
ESD_SOT23-6L [mm]
  rect 0.6x1.2 smd mask+0.05: 1(-0.95,-1.15) 2(0,-1.15) 3(0.95,-1.15) 4(0.95,1.15) 5(0,1.15) 6(-0.95,1.15)
  silkscreen extent -1.53,-0.87 1.53,0.87, body extent -1.52,-1.5 1.52,1.5, height 1.45
ESD_SOT323-5L [mm]
  rect 0.4x1.2 smd mask+0.05: 1(-0.65,-0.85) 2(0,-0.85) 3(0.65,-0.85) 4(0.65,0.85) 5(-0.65,0.85)
  silkscreen extent -1.22,-1.21 1.22,0.77, body extent -1.15,-1.05 1.15,1.05, height 1.1
ESD_ST0201 [mm]
  rect 0.425x0.33 smd mask+0.05: 1(-0.312,0) 2(0.312,0)
  silkscreen extent -0.55,-0.3 0.33,0.3, body extent -0.34,-0.18 0.34,0.18, height 0.34
ICC_DFN6-EPAD_3X3_P095 [mm]
  rect 0.45x0.5 smd mask+0.05: 1(-0.95,-1.3) 2(0,-1.3) 3(0.95,-1.3) 4(0.95,1.3) 5(0,1.3) 6(-0.95,1.3)
  rect 2.5x1.7 smd mask+0.05: EP(0,0)
  silkscreen extent -1.55,-1.55 1.55,1.55, body extent -1.55,-1.55 1.55,1.55, height 1
ICC_DHVQFN16-EPAD_SOT763-1_2P5X3P5_H0P85_P050 [mm] "MCD-01945"
  rect 0.3x0.8 smd mask+0.05: 1(-0.25,1.7) 8(-0.25,-1.7) 9(0.25,-1.7) 16(0.25,1.7)
  rect 0.8x0.3 smd mask+0.05: 2(-1.2,1.25) 3(-1.2,0.75) 4(-1.2,0.25) 5(-1.2,-0.25) 6(-1.2,-0.75) 7(-1.2,-1.25) 10(1.2,-1.25) 11(1.2,-0.75) 12(1.2,-0.25) 13(1.2,0.25) 14(1.2,0.75) 15(1.2,1.25)
  rect 1.2x2.2 smd mask+0.05: 17(0,0)
  silkscreen extent -1.3,-1.8 1.3,1.8, body extent -1.31,-1.81 1.31,1.81, height 1.01